# KiCad board InsidePanel.kicad_pcb (continued)
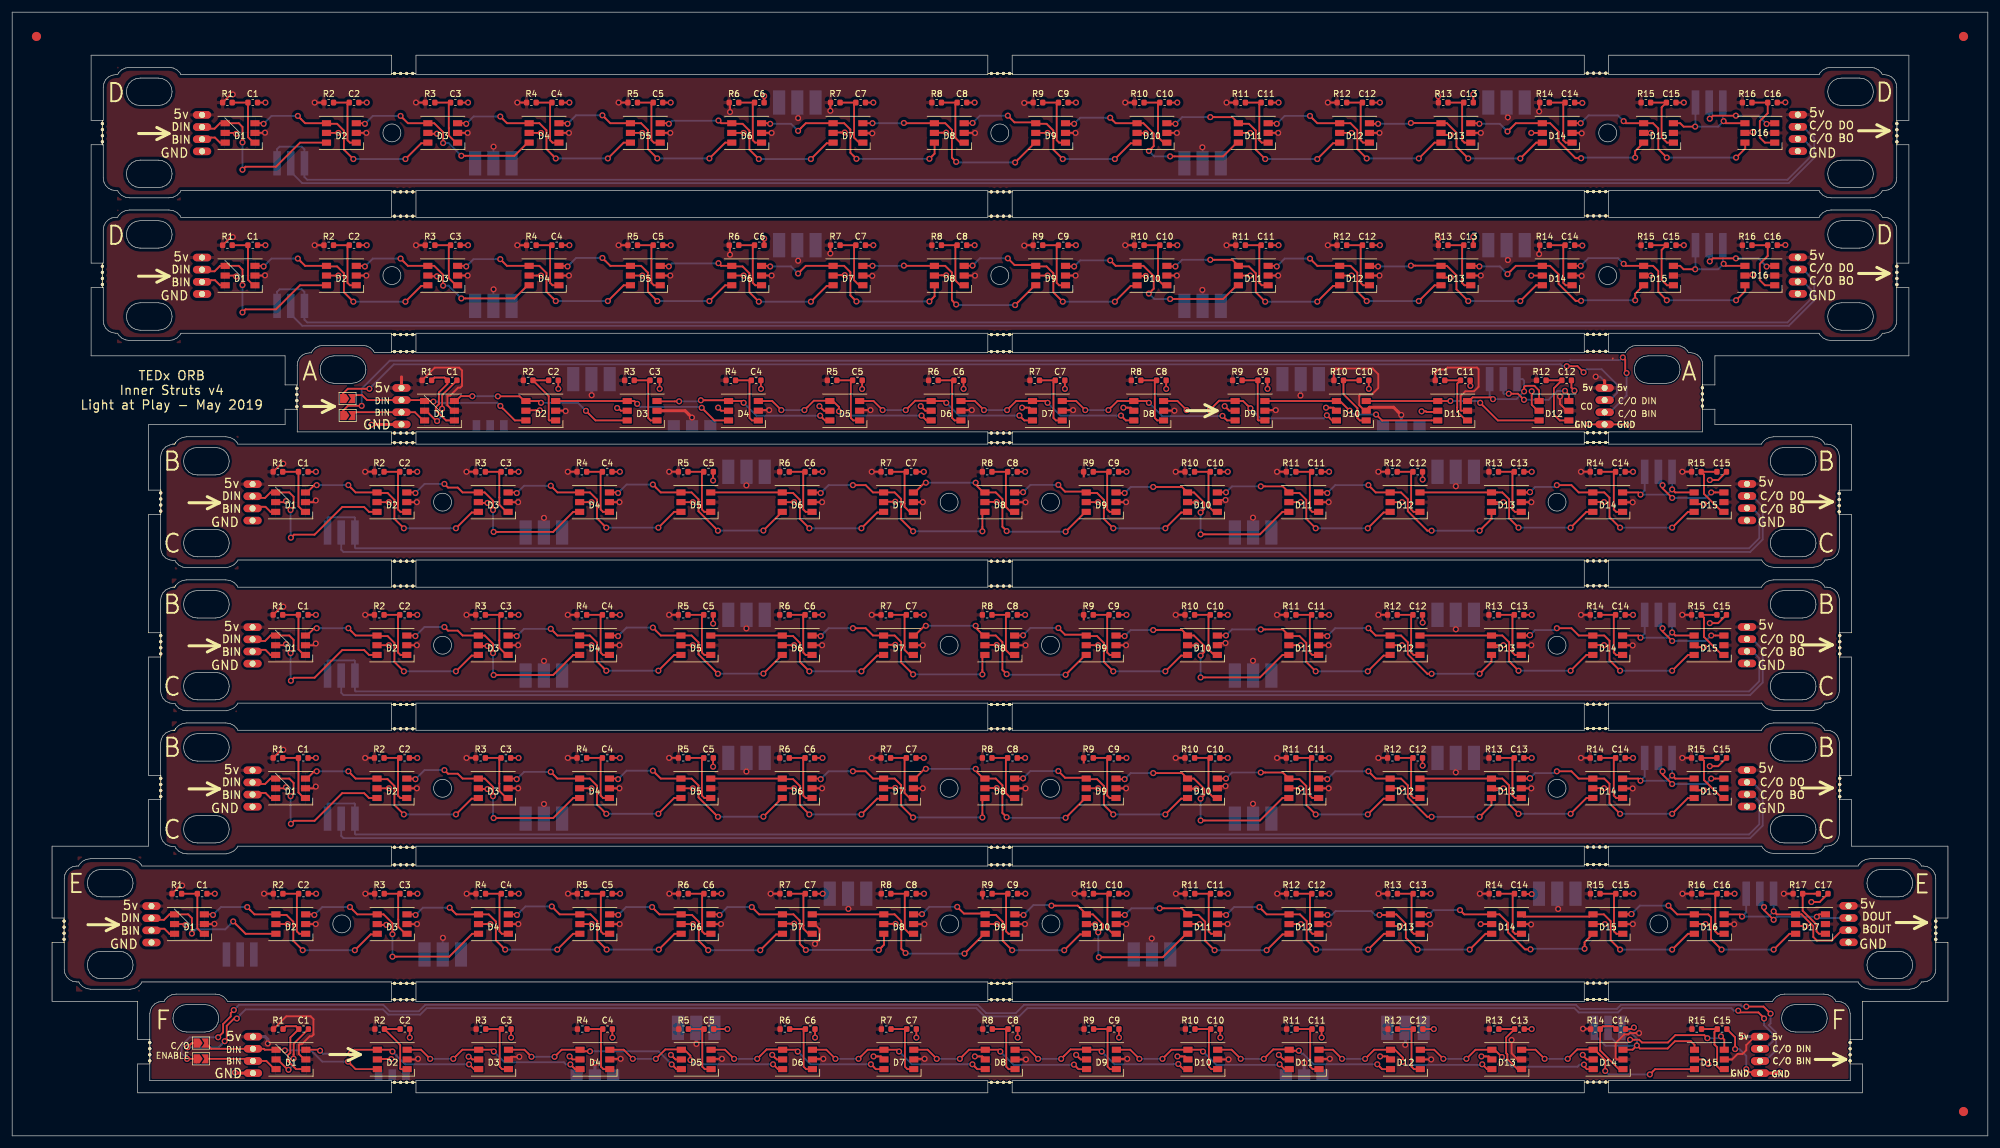
[diagram p0: board, top side]
## Routing (per net, layer and track width the routed paths; a pad name or vN(x,y) marks a point on that pad's centre or on a via; arc(x,y) is an arc through that point) (continued)
/BIN: length 49.9
  Top w0.3: 39.55,80.01 41.67,80.01 42.5,79.17 D1#6.6 ; 39.55,103.56 41.67,103.56 42.5,102.73 D1#7.6 ; D1#8.6 34.19,140.03 33.36,140.87 31.24,140.87 ; 22.92,34.1 25.03,34.1 25.87,33.26 D1#3.6 ; D1#4.6 34.19,163.52 33.36,164.35 31.24,164.35 ; 39.55,56.45 41.67,56.45 42.5,55.62 D1#2.6 ; JP4.2 56.47,119.13 J1.3 66.25,119.13 67.6,117.78 D1.6 ; D1#5.6 43.16,10.98 41.81,12.33 J1#5.3 39.26,12.68 JP4#2.2
/BOUT: length 179.8
  Top w0.3: v1(273.07,82.87) 273.57,82.37 D15#5.4 ; v1(267.86,82.01) 267.5,82.37 D14#5.3 ; v1(273.07,106.43) 273.57,105.93 D15#6.4 ; v1(267.86,105.57) 267.5,105.93 D14#6.3 ; v1(276.85,142.67) 274.95,142.67 274.39,143.23 D15#7.3 ; D16#3.4 281.88,143.23 v1(281.54,143.57) ; 293.38,36.46 294.36,36.46 296.28,34.54 296.28,32.75 296.87,32.16 299.3,32.16 301.2,34.06 302.17,34.06 ; v1(276.85,166.15) 274.95,166.15 274.39,166.72 D15#3.3 ; D15.4 273.57,58.82 v1(273.07,59.32) ; D16#2.4 281.88,166.72 v1(281.54,167.05) ; D14#4.3 266.56,14.18 v1(267.26,14.88) 267.76,14.38 272.33,14.38 273.53,15.58 276.15,15.58 276.75,14.98 D15#4.4 ; D14.3 267.5,58.82 v1(267.86,58.46) ; v1(284.56,36.1) 284.2,36.46 D16.3 ; D12.4 251.18,122.71 250.4,123.48 248.93,123.48 248.72,123.27 v1(248.72,122.56) ; v1(243.6,121.28) 243.3,121.58 240.26,121.58 239.66,120.98 D11.3 ; v1(289.77,36.96) 290.27,36.46 D17.4 ; 265.23,14.18 264.98,14.18
  Bottom w0.3: J4#9.2 273.07,85.76 v1(273.07,82.87) 272.2,82.01 v1(267.86,82.01) 268.55,82.7 J4#9.2 ; J4#10.2 273.07,109.31 v1(273.07,106.43) 272.2,105.57 v1(267.86,105.57) 268.55,106.25 J4#10.2 ; J4#11.2 281.41,143.7 v1(281.54,143.57) 280.64,142.67 v1(276.85,142.67) 276.91,142.72 J4#11.2 ; J4#5.2 276.91,166.21 v1(276.85,166.15) 280.64,166.15 v1(281.54,167.05) 281.41,167.18 J4#5.2 ; 301.21,33.86 J5#2.3 ; J4#4.2 285.25,36.79 v1(284.56,36.1) 288.9,36.1 v1(289.77,36.96) 289.77,39.85 J4#4.2 ; J6.2 243.04,121.83 v1(243.6,121.28) 247.44,121.28 v1(248.72,122.56) 248.72,124.34 248.47,124.58 J6.2 ; J4#3.2 268.55,59.14 v1(267.86,58.46) 272.2,58.46 v1(273.07,59.32) 273.07,62.2 J4#3.2 ; 260.53,17.78 260.53,16.41 262.1,14.83 263.6,14.83 267.21,14.83 v1(267.26,14.88) 267.26,16 265.48,17.78 264.53,17.78
/CO_BIN: length 512.1
  Top w0.3: 286.64,11.78 287.61,11.78 ; v1(265.58,125.59) 265.36,125.81 265.36,127.76 v1(264.96,128.16) ; v1(289.26,20.12) 288.1,21.28 v1(285.27,21.28) ; v1(36.46,20.72) 35.96,20.22 35.96,19.67 34.7,18.41 34.7,17.04 v1(33.89,16.23) ; 30.34,12.08 JP4#2.1 v1(28.76,12.68) ; JP4.1 54.47,119.43 55.22,120.18 v1(57.5,120.18)
  Bottom w0.3: v1(28.76,12.68) 27.86,13.58 27.86,14.88 29.21,16.23 v1(33.89,16.23) ; v1(57.5,120.18) 57.5,123.01 62.1,127.61 256.2,127.61 256.3,127.71 264.5,127.71 v1(264.96,128.16) ; v1(265.58,125.59) 265.58,121.87 262.84,119.13 J5#5.3 ; v1(36.46,20.72) 37.31,21.57 61.04,21.57 62.1,20.51 66.9,20.51 67.96,21.57 158.84,21.57 160.2,20.21 165.1,20.21 166.46,21.57 257.24,21.57 257.9,20.91 263.99,20.91 264.64,21.57 284.27,21.57 284.56,21.28 v1(285.27,21.28) ; J5#4.3 288.4,12.33 290.16,14.09 290.16,17.02 288.96,18.22 289.26,18.52 v1(289.26,20.12)
/CO_DIN: length 493.3
  Top w0.3: v1(258.5,125.71) 257.5,126.71 v1(255.73,126.71) ; JP3.1 54.45,122.23 55.21,123 v1(58.76,123) ; JP3#2.1 29.55,15.28 v1(28.85,14.58) ; v1(34.96,15.58) 35.3,15.92 35.3,18.11 36.51,19.32 v1(36.96,19.32) ; v1(283.93,20.6) 284.22,20.32 287.26,20.32 288.19,19.38 v1(288.19,19.32)
  Bottom w0.3: J5#4.2 288.4,14.33 289.61,15.54 289.61,16.79 288.19,18.21 v1(288.19,19.32) ; v1(258.5,125.71) 259,126.21 261.47,126.21 264,123.69 264,122.29 262.84,121.13 J5#5.2 ; v1(28.85,14.58) 33.96,14.58 v1(34.96,15.58) ; v1(58.76,123) 62.78,127.02 254.72,127.02 255.02,126.71 v1(255.73,126.71) ; v1(283.93,20.6) 283.23,20.6 282.81,21.02 264.87,21.02 264.17,20.31 257.7,20.31 256.99,21.02 167.01,21.02 165.65,19.66 159.97,19.66 158.62,21.02 68.18,21.02 67.13,19.96 61.87,19.96 61.02,20.81 38.4,20.81 37.46,19.87 37.46,19.82 v1(36.96,19.32)
/DIN: length 238.9
  Top w0.3: 39.55,81.47 41.6,81.47 42.5,82.37 D1#6.4 45.58,82.37 46.3,81.66 46.3,79.97 v1(45.8,79.47) ; D2#6.6 58.7,79.17 57.9,79.97 54.3,79.97 49.75,75.42 46.35,75.42 v1(45.85,74.92) ; 39.55,105.03 41.6,105.03 42.5,105.93 D1#7.4 45.58,105.93 46.3,105.21 46.3,103.53 v1(45.8,103.03) ; D2#7.6 58.7,102.73 57.9,103.53 54.3,103.53 49.75,98.98 46.35,98.98 v1(45.85,98.48) ; D2#8.6 47.35,140.03 43.39,136.07 38.39,136.07 v1(37.89,135.57) ; v1(37.89,140.07) 37.89,142.62 37.28,143.23 D1#8.4 34.19,143.23 33.29,142.33 31.24,142.33 ; D2#5.6 56.49,10.98 v1(55.26,12.22) ; 31.24,165.82 33.29,165.82 34.19,166.72 D1#4.4 37.28,166.72 37.89,166.1 v1(37.89,163.55) ; v1(37.89,159.05) 38.39,159.55 43.39,159.55 47.35,163.52 D2#4.6 ; v1(45.8,55.92) 46.3,56.42 46.3,58.1 45.58,58.82 D1#2.4 42.5,58.82 41.6,57.92 39.55,57.92 ; v1(45.85,51.37) 46.35,51.87 49.75,51.87 54.3,56.42 57.9,56.42 58.7,55.62 D2#2.6 ; v1(80.31,120.17) 82.7,117.78 D2.6 ; 22.92,35.56 24.97,35.56 25.87,36.46 D1#3.4 28.95,36.46 29.56,35.85 v1(29.56,33.3) ; v1(36.36,35.3) 38.4,33.26 D2#3.6 ; JP3#2.2 32.74,14.33 J1#5.2 41.41,14.33 41.56,14.18 D1#5.4 44.76,14.18 v1(44.86,14.08) ; JP3.2 56.47,121.95 57.56,121.95 58.38,121.13 J1.2 67.7,121.13 D1.4 69.2,120.98 v1(69.3,120.88)
  Bottom w0.3: v1(45.85,74.92) 45.8,74.97 v1(45.8,79.47) ; v1(45.85,98.48) 45.8,98.53 v1(45.8,103.03) ; v1(37.89,140.07) v1(37.89,135.57) ; v1(44.86,14.08) 49.16,14.08 51.02,12.22 v1(55.26,12.22) ; v1(29.56,33.3) 30.26,34 35.06,34 v1(36.36,35.3) ; v1(45.85,51.37) 45.8,51.42 v1(45.8,55.92) ; v1(69.3,120.88) 70,120.88 70.21,120.67 79.81,120.67 v1(80.31,120.17) ; v1(37.89,163.55) v1(37.89,159.05)
/DOUT: length 130
  Top w0.3: v1(273.07,81.47) 271.49,83.05 v1(271.49,83.57) ; D15#5.3 v1(279.5,82.37) ; v1(273.07,105.03) 271.49,106.61 v1(271.49,107.12) ; D15#6.3 v1(279.5,105.93) ; v1(283.55,144.47) 279.75,144.47 v1(279.25,143.97) ; v1(288.61,143.12) 288.72,143.23 D16#3.3 ; v1(289.77,35.56) 288.19,37.14 v1(288.19,37.66) ; v1(246.2,122.18) 247.7,122.18 v1(248.7,121.18) ; v1(273.07,57.92) 271.49,59.5 v1(271.49,60.01) ; v1(281.1,16.38) 281.65,15.83 D15#4.3 ; D17.3 297.23,36.46 296.87,36.1 v1(296.87,36.06) ; D15.3 v1(279.5,58.82) ; v1(278.86,16.08) 278.36,16.58 273.59,16.58 272.38,15.37 268.11,15.37 267.64,15.83 v1(266.15,15.83) ; v1(288.61,166.6) 288.72,166.72 D16#2.3 ; v1(255.45,122.65) 256.08,122.02 D12.3 ; v1(279.25,167.45) 279.75,167.95 v1(283.55,167.95)
  Bottom w0.3: v1(271.49,83.57) 270.77,84.29 270.77,85.74 J4#9.1 ; v1(279.5,82.37) 278.6,81.47 v1(273.07,81.47) ; v1(271.49,107.12) 270.77,107.84 270.77,109.3 J4#10.1 ; v1(279.5,105.93) 278.6,105.03 v1(273.07,105.03) ; J4#11.1 279.16,144.07 v1(279.25,143.97) ; v1(283.55,144.47) 287.25,144.47 v1(288.61,143.12) ; v1(281.1,16.38) 280.8,16.08 v1(278.86,16.08) ; v1(279.5,58.82) 278.6,57.92 v1(273.07,57.92) ; J4#5.1 279.16,167.55 v1(279.25,167.45) ; v1(246.2,122.18) 245.39,122.18 245.29,122.28 J6.1 ; v1(255.45,122.65) 254.21,122.65 252.74,121.18 v1(248.7,121.18) ; v1(289.77,35.56) 290.27,36.06 v1(296.87,36.06) 297.07,35.86 J5#2.2 303.17,35.86 ; J4#4.1 287.47,39.83 287.47,38.38 v1(288.19,37.66) ; v1(271.49,60.01) 270.77,60.73 270.77,62.19 J4#3.1 ; v1(283.55,167.95) 287.25,167.95 v1(288.61,166.6) ; v1(266.15,15.83) 265.7,15.38 263.83,15.38 262.53,16.69 262.53,17.08
Net-(C1-Pad1): length 83.8
  Top w0.3: D1#6.1 48,79.17 47.1,80.08 C1#6.1 R1#6.2 ; D1#7.1 48,102.73 47.1,103.63 C1#7.1 R1#7.2 ; R1#8.2 C1#8.1 38.79,140.94 39.69,140.03 D1#8.1 ; D1.1 71.37,117.78 69.7,119.46 69.7,119.98 70.2,120.48 70.2,122.38 71.59,123.78 C1.1 71.13,124.84 69.46,124.84 R1.2 ; R1#2.2 C1#2.1 47.1,56.52 48,55.62 D1#2.1 ; R1#5.2 45.03,18.04 46.7,18.04 C1#5.1 45.76,16.19 45.76,13.68 45.39,13.31 45.39,12.29 46.69,10.98 D1#5.1 ; D1#3.1 31.37,33.26 30.46,34.17 C1#3.1 R1#3.2 ; D1#4.1 39.69,163.52 38.79,164.42 C1#4.1 R1#4.2
Net-(C2-Pad1): length 85.9
  Top w0.3: D2#2.1 63.87,55.62 63.47,56.02 63.47,61.92 C2#2.1 R2#2.2 ; D2#3.1 47.23,33.26 46.83,33.66 46.83,39.57 C2#3.1 R2#3.2 ; D2#4.1 55.56,163.52 55.16,163.92 55.16,169.82 C2#4.1 52.86,170.12 ; D2#6.1 63.87,79.17 63.47,79.57 63.47,85.48 C2#6.1 R2#6.2 ; D2#7.1 63.87,102.73 63.47,103.13 63.47,109.03 C2#7.1 R2#7.2 ; D2#8.1 55.56,140.03 55.16,140.43 55.16,146.34 C2#8.1 52.86,146.63 ; D2#5.1 63.93,10.98 63.83,11.08 63.83,14.99 R2#5.2 C2#5.1 ; D2.1 88.36,117.78 88.26,117.88 88.26,121.79 R2.2 C2.1
Net-(C3-Pad1): length 81.5
  Top w0.3: D3#5.1 80.59,10.98 80.19,11.38 80.19,17.29 C3#5.1 R3#5.2 ; D3.1 105.03,117.78 104.63,118.18 104.63,124.09 C3.1 R3.2 ; R3#6.2 C3#6.1 80.13,85.48 80.13,81.55 80.15,81.54 80.15,80.34 81.31,79.17 D3#6.1 ; R3#7.2 C3#7.1 80.13,109.03 80.13,105.11 80.15,105.09 80.15,103.89 81.31,102.73 D3#7.1 ; D3#8.1 73,140.03 71.84,141.2 71.84,142.4 71.83,142.41 71.83,146.34 C3#8.1 R3#8.2 ; R3#3.2 C3#3.1 63.5,39.57 63.5,35.64 63.51,35.63 63.51,34.43 64.68,33.26 D3#3.1 ; R3#2.2 C3#2.1 80.13,61.92 80.13,58 80.15,57.98 80.15,56.78 81.31,55.62 D3#2.1 ; R3#4.2 C3#4.1 71.83,169.82 71.83,165.89 71.84,165.88 71.84,164.68 73,163.52 D3#4.1
Net-(C4-Pad1): length 84.2
  Top w0.3: D4#5.1 97.26,10.98 96.86,11.38 96.86,17.29 C4#5.1 R4#5.2 ; D4.1 121.7,117.78 121.3,118.18 121.3,124.09 C4.1 R4.2 ; R4#6.2 C4#6.1 96.8,85.48 96.8,79.57 97.2,79.17 D4#6.1 ; R4#7.2 C4#7.1 96.8,109.03 96.8,103.13 97.2,102.73 D4#7.1 ; D4#8.1 88.89,140.03 88.49,140.43 88.49,146.34 C4#8.1 R4#8.2 ; D4#3.1 80.57,33.26 80.17,33.66 80.17,39.57 C4#3.1 R4#3.2 ; R4#4.2 C4#4.1 88.49,169.82 88.49,163.92 88.89,163.52 D4#4.1 ; D4#2.1 97.2,55.62 96.8,56.02 96.8,61.92 C4#2.1 R4#2.2
Net-(C5-Pad1): length 84.2
  Top w0.3: D5#2.1 113.87,55.62 113.47,56.02 113.47,61.92 C5#2.1 R5#2.2 ; D5#3.1 97.23,33.26 96.83,33.66 96.83,39.57 97.13,39.86 R5#3.2 ; D5#4.1 105.56,163.52 105.16,163.92 105.16,169.82 C5#4.1 R5#4.2 ; D5#5.1 113.93,10.98 113.53,11.38 113.53,17.29 C5#5.1 R5#5.2 ; D5.1 138.36,117.78 137.96,118.18 137.96,124.09 C5.1 135.67,124.38 ; D5#6.1 113.87,79.17 113.47,79.57 113.47,85.48 C5#6.1 R5#6.2 ; D5#7.1 113.87,102.73 113.47,103.13 113.47,109.03 C5#7.1 R5#7.2 ; D5#8.1 105.56,140.03 105.16,140.43 105.16,146.34 C5#8.1 R5#8.2
Net-(C6-Pad1): length 84.2
  Top w0.3: D6#2.1 130.53,55.62 130.13,56.02 130.13,61.92 130.43,62.22 R6#2.2 ; D6#3.1 113.9,33.26 113.5,33.66 113.5,39.57 C6#3.1 R6#3.2 ; D6#4.1 122.23,163.52 121.83,163.92 121.83,169.82 C6#4.1 R6#4.2 ; D6#5.1 130.59,10.98 130.19,11.38 130.19,17.29 C6#5.1 R6#5.2 ; D6.1 155.03,117.78 154.63,118.18 154.63,124.09 C6.1 R6.2 ; R6#6.2 130.43,85.77 130.13,85.48 130.13,79.57 130.53,79.17 D6#6.1 ; R6#7.2 130.43,109.33 130.13,109.03 130.13,103.13 130.53,102.73 D6#7.1 ; D6#8.1 122.23,140.03 121.83,140.43 121.83,146.34 C6#8.1 R6#8.2
Net-(C7-Pad1): length 82.7
  Top w0.3: D7#5.1 147.26,10.98 146.86,11.38 146.86,17.29 C7#5.1 R7#5.2 ; D7.1 171.69,117.78 171.29,118.18 171.29,124.09 C7.1 R7.2 ; R7#6.2 C7#6.1 146.8,85.48 146.8,80.54 146.8,80.53 146.8,80.01 147.63,79.17 D7#6.1 ; R7#7.2 C7#7.1 146.8,109.03 146.8,104.09 146.8,104.09 146.8,103.57 147.63,102.73 D7#7.1 ; D7#8.1 139.33,140.03 138.49,140.87 138.49,141.39 138.49,141.4 138.49,146.34 C7#8.1 R7#8.2 ; D7#2.1 147.63,55.62 146.8,56.46 146.8,56.98 146.8,56.98 146.8,61.92 C7#2.1 R7#2.2 ; D7#4.1 139.33,163.52 138.49,164.35 138.49,164.88 138.49,164.88 138.49,169.82 C7#4.1 R7#4.2 ; R7#3.2 C7#3.1 130.17,39.57 130.17,34.63 130.16,34.62 130.16,34.1 131,33.26 D7#3.1
Net-(C8-Pad1): length 82.8
  Top w0.3: 164.98,10.98 163.93,10.98 163.53,11.38 163.53,17.29 163.82,17.58 R8#5.2 ; D8.1 188.36,117.78 187.96,118.18 187.96,124.09 C8.1 185.67,124.38 ; D8#6.1 164.27,79.17 163.47,79.97 163.47,85.48 C8#6.1 R8#6.2 ; D8#7.1 164.27,102.73 163.47,103.53 163.47,109.03 C8#7.1 R8#7.2 ; D8#8.1 155.96,140.03 155.16,140.83 155.16,146.34 C8#8.1 R8#8.2 ; D8#2.1 164.27,55.62 163.47,56.42 163.47,61.92 C8#2.1 R8#2.2 ; 144.54,39.86 147.13,39.86 146.83,39.57 146.83,34.06 147.63,33.26 148.28,33.26 ; D8#4.1 155.96,163.52 155.16,164.31 155.16,169.82 C8#4.1 R8#4.2
Net-(C9-Pad1): length 84
  Top w0.3: 181.58,55.62 180.53,55.62 180.13,56.02 180.13,61.92 180.43,62.22 R9#2.2 ; D9#3.1 163.9,33.26 163.5,33.66 163.5,39.57 C9#3.1 R9#3.2 ; 173.28,163.52 172.23,163.52 171.83,163.92 171.83,169.82 172.12,170.12 R9#4.2 ; D9#5.1 180.59,10.98 180.19,11.38 180.19,17.29 C9#5.1 R9#5.2 ; 181.58,79.17 180.53,79.17 180.13,79.57 180.13,85.48 180.43,85.77 R9#6.2 ; 181.58,102.73 180.53,102.73 180.13,103.13 180.13,109.03 180.43,109.33 R9#7.2 ; 173.28,140.03 172.23,140.03 171.83,140.43 171.83,146.34 172.12,146.63 R9#8.2 ; D9.1 205.03,117.78 204.9,117.92 204.9,124.35 204.92,124.38 R9.2
Net-(C10-Pad1): length 83.3
  Top w0.3: D10#5.1 197.26,10.98 196.86,11.38 196.86,17.29 C10#5.1 R10#5.2 ; R10#6.2 C10#6.1 196.8,85.48 196.8,80.09 197.71,79.17 D10#6.1 ; R10#7.2 C10#7.1 196.8,109.03 196.8,103.64 197.71,102.73 D10#7.1 ; D10#8.1 189.4,140.03 188.49,140.94 188.49,146.34 C10#8.1 R10#8.2 ; R10#3.2 C10#3.1 180.17,39.57 180.17,34.18 181.08,33.26 D10#3.1 ; D10.1 221.69,117.78 221.29,118.18 221.29,119.81 219,122.1 R10.2 C10.1 ; D10#4.1 189.4,163.52 188.49,164.43 188.49,169.82 C10#4.1 R10#4.2 ; D10#2.1 197.71,55.62 196.8,56.53 196.8,61.92 C10#2.1 R10#2.2
Net-(C11-Pad1): length 84
  Top w0.3: D11#2.1 213.87,55.62 213.47,56.02 213.47,61.92 C11#2.1 R11#2.2 ; 198.28,33.26 197.23,33.26 196.83,33.66 196.83,39.57 197.13,39.86 194.54,39.86 ; D11#4.1 205.56,163.52 205.16,163.92 205.16,169.82 C11#4.1 R11#4.2 ; 214.98,10.98 213.93,10.98 213.53,11.38 213.53,17.29 213.82,17.58 211.23,17.58 ; R11#6.2 C11#6.1 213.47,85.48 213.47,79.57 213.87,79.17 D11#6.1 ; R11#7.2 C11#7.1 213.47,109.03 213.47,103.13 213.87,102.73 D11#7.1 ; D11#8.1 205.56,140.03 205.16,140.43 205.16,146.34 C11#8.1 R11#8.2 ; R11.2 C11.1 237.71,123.84 237.71,119.94 237.7,119.92 237.7,119.25 239.16,117.78 D11.1
Net-(C12-Pad1): length 85.3
  Top w0.3: 223.28,163.52 222.23,163.52 221.83,163.92 221.83,169.82 222.12,170.12 219.53,170.12 ; D12#5.1 230.59,10.98 230.19,11.38 230.19,17.29 C12#5.1 R12#5.2 ; 231.58,55.62 230.53,55.62 230.13,56.02 230.13,61.92 230.43,62.22 227.84,62.22 ; D12#3.1 213.9,33.26 213.5,33.66 213.5,39.57 C12#3.1 R12#3.2 ; 227.84,85.77 230.43,85.77 230.13,85.48 230.13,79.57 230.53,79.17 231.58,79.17 ; 227.84,109.33 230.43,109.33 230.13,109.03 230.13,103.13 230.53,102.73 231.58,102.73 ; 223.28,140.03 222.23,140.03 221.83,140.43 221.83,146.34 222.12,146.63 219.53,146.63 ; 256.08,117.78 254.59,117.78 253.62,118.75 253.62,123.08 254.92,124.38 R12.2
Net-(C13-Pad1): length 74.3
  Top w0.3: D13.1 247.2,55.62 246.8,56.02 246.8,61.92 C13.1 R13.2 ; D13#5.1 247.2,79.17 246.8,79.57 246.8,85.48 C13#5.1 R13#5.2 ; D13#6.1 247.2,102.73 246.8,103.13 246.8,109.03 C13#6.1 R13#6.2 ; R13#7.2 C13#7.1 238.53,146.37 238.53,140.4 238.89,140.03 D13#7.1 ; D13#4.1 247.63,10.98 245.96,12.65 245.96,13.41 245.76,13.61 245.76,16.19 C13#4.1 R13#4.2 ; R13#2.2 C13#2.1 230.2,39.6 230.2,33.63 230.57,33.26 D13#2.1 ; R13#3.2 C13#3.1 238.53,169.85 238.53,163.88 238.89,163.52 D13#3.1
Net-(C14-Pad1): length 74.7
  Top w0.3: D14.1 263.87,55.62 263.47,56.02 263.47,61.92 C14.1 R14.2 ; 248.28,33.26 247.23,33.26 246.83,33.66 246.83,39.57 247.13,39.86 244.54,39.86 ; D14#3.1 255.56,163.52 255.16,163.92 255.16,169.82 C14#3.1 R14#3.2 ; D14#5.1 263.87,79.17 263.47,79.57 263.47,85.48 C14#5.1 R14#5.2 ; D14#6.1 263.87,102.73 263.47,103.13 263.47,109.03 C14#6.1 R14#6.2 ; R14#7.2 C14#7.1 255.16,146.34 255.16,140.43 255.56,140.03 D14#7.1 ; 261.23,17.58 261.23,14.06 264.31,10.98 264.98,10.98 ; R14#4.2 261.69,18.04 263.36,18.04 C14#4.1
Net-(C15-Pad1): length 75.7
  Top w0.3: D15#2.1 263.9,33.26 263.5,33.66 263.5,39.57 263.8,39.86 R15#2.2 ; R15#5.2 C15#5.1 ; 281.58,79.17 281.27,79.17 278.3,82.14 278.3,85.31 277.84,85.77 ; R15#6.2 C15#6.1 ; 281.58,102.73 281.27,102.73 278.3,105.7 278.3,108.87 277.84,109.33 ; 273.28,140.03 272.23,140.03 271.34,140.92 271.34,145.85 272.12,146.63 269.53,146.63 ; C15.1 R15.2 ; 273.28,163.52 272.23,163.52 271.34,164.4 271.34,169.33 272.12,170.12 269.53,170.12 ; D15#4.1 280.93,10.98 280.47,11.44 280.47,14.58 280.03,15.02 280.03,17.12 C15#4.1 R15#4.2 ; 281.58,55.62 281.27,55.62 278.3,58.59 278.3,61.76 277.84,62.22
Net-(C16-Pad1): length 33.9
  Top w0.3: D16.1 280.57,33.26 280.17,33.66 280.17,39.57 C16.1 R16.2 ; D16#3.1 288.33,140.03 287.49,140.87 287.49,143.57 288.79,144.87 C16#3.1 R16#3.2 ; R16#2.2 C16#2.1 288.79,168.35 287.49,167.05 287.49,164.35 288.33,163.52 D16#2.1
Net-(C17-Pad1): length 11.4
  Top w0.3: R17.2 C17.1 ; 298.28,33.26 297.23,33.26 296.83,33.66 296.83,34.77 294.54,37.06 294.54,39.86
Net-(D1-Pad3): length 269.7
  Top w0.3: 76.65,55.52 75.6,55.52 v1(73,52.92) ; 60.02,33.16 58.97,33.16 v1(56.37,30.56) ; 68.34,163.42 67.29,163.42 v1(64.69,160.82) ; 59.98,58.72 61.77,58.72 62.88,57.6 62.88,54.47 v1(64.43,52.92) ; 43.35,36.36 45.13,36.36 46.25,35.25 46.25,32.11 v1(47.8,30.56) ; 51.68,166.62 53.46,166.62 54.58,165.5 54.58,162.37 v1(56.13,160.82) ; D1#6.3 48.5,82.37 49.7,83.57 v1(50.1,83.57) ; v1(55.3,83.57) 56.5,82.37 D2#6.4 ; v1(64.43,76.47) 62.88,78.02 62.88,81.16 61.77,82.27 59.98,82.27 ; 76.65,79.07 75.6,79.07 v1(73,76.47) ; D1#7.3 48.5,105.93 49.7,107.13 v1(50.1,107.13) ; v1(55.3,107.13) 56.5,105.93 D2#7.4 ; v1(64.43,100.03) 62.88,101.58 62.88,104.71 61.77,105.83 59.98,105.83 ; 76.65,102.63 75.6,102.63 v1(73,100.03) ; 68.34,139.93 67.29,139.93 v1(64.69,137.33) ; 51.68,143.13 53.46,143.13 54.58,142.01 54.58,138.88 v1(56.13,137.33) ; D1#8.3 41.26,143.23 v1(41.36,143.13) ; D2#8.4 48.19,143.23 v1(46.99,144.43) ; D2#3.4 39.87,36.46 v1(38.67,37.66) ; v1(79.9,121.75) 83.43,121.75 83.46,121.78 84.26,120.98 D2.4 86.7,120.98 v1(87,120.68) ; v1(50.1,60.02) 49.7,60.02 48.5,58.82 D1#2.3 ; v1(55.3,60.02) 56.5,58.82 D2#2.4 ; v1(50.66,14.02) 50.49,14.18 D1#5.3 48.56,14.18 ; v1(46.99,167.92) 48.19,166.72 D2#4.4 ; D1#4.3 41.26,166.72 v1(41.36,166.62) ; v1(75.7,121.77) 75.69,121.78 73.8,121.78 73,120.98 D1.3 ; v1(75.16,11.78) 75.96,10.98 D3#5.6 ; v1(94.39,119.36) 95.97,117.78 D3.6 ; v1(55.66,13.52) 56.32,14.18 D2#5.4 62.26,14.18 v1(62.56,13.88) ; D1#3.3 32.93,36.46 v1(33.03,36.36)
  Bottom w0.3: v1(73,52.92) v1(64.43,52.92) ; v1(56.37,30.56) v1(47.8,30.56) ; v1(64.69,160.82) v1(56.13,160.82) ; v1(55.3,83.57) v1(50.1,83.57) ; v1(73,76.47) v1(64.43,76.47) ; v1(55.3,107.13) v1(50.1,107.13) ; v1(73,100.03) v1(64.43,100.03) ; v1(64.69,137.33) v1(56.13,137.33) ; v1(41.36,143.13) 42.66,144.43 v1(46.99,144.43) ; v1(38.67,37.66) 34.33,37.66 v1(33.03,36.36) ; v1(62.56,13.88) 64.66,11.78 v1(75.16,11.78) ; v1(41.36,166.62) 42.66,167.92 v1(46.99,167.92) ; v1(79.9,121.75) 79.88,121.77 v1(75.7,121.77) ; v1(55.3,60.02) v1(50.1,60.02) ; v1(50.66,14.02) 51.16,13.52 v1(55.66,13.52) ; v1(87,120.68) 93.07,120.68 v1(94.39,119.36)
Net-(D2-Pad3): length 275.9
  Top w0.3: v1(79.23,13.88) 78.93,14.18 D3#5.4 74.06,14.18 v1(72.56,12.68) ; v1(71.1,83.77) 71.7,83.17 73.3,83.17 74.1,82.37 D3#6.4 77.73,82.37 79.1,81.01 v1(79.1,79.47) ; v1(79.2,75.87) 89,75.87 92.3,79.17 D4#6.6 ; v1(66.33,82.27) 66.23,82.37 D2#6.3 ; v1(71.1,107.33) 71.7,106.73 73.3,106.73 74.1,105.93 D3#7.4 77.73,105.93 79.1,104.56 v1(79.1,103.03) ; v1(79.2,99.43) 89,99.43 92.3,102.73 D4#7.6 ; v1(66.33,105.83) 66.23,105.93 D2#7.3 ; D2#8.3 57.93,143.23 v1(58.03,143.13) ; v1(63.89,144.43) 65.09,143.23 D3#8.4 69.43,143.23 70.89,141.77 v1(70.89,139.97) ; D4#8.6 84.79,140.03 82.63,137.87 v1(73.89,137.87) ; v1(58.03,166.62) 57.93,166.72 D2#4.3 ; 65.23,14.18 D2#5.3 67.26,14.18 v1(68.76,12.68) ; v1(62.56,29.5) 71.9,29.5 75.67,33.26 D4#3.6 ; v1(55.57,37.66) 56.77,36.46 D3#3.4 61.1,36.46 62.56,35 v1(62.56,33.2) ; v1(63.89,167.92) 65.09,166.72 D3#4.4 69.43,166.72 70.89,165.26 v1(70.89,163.45) ; D4#5.6 92.6,10.98 v1(91.82,11.76) ; v1(79.1,55.92) 79.1,57.45 77.73,58.82 D3#2.4 74.1,58.82 73.3,59.62 71.7,59.62 v1(71.1,60.22) ; v1(79.2,52.32) 89,52.32 92.3,55.62 D4#2.6 ; v1(66.33,58.72) 66.23,58.82 D2#2.3 ; D4#4.6 84.79,163.52 82.63,161.35 v1(73.89,161.35) ; v1(113.43,119.86) 115.51,117.78 D4.6 ; D2#3.3 49.6,36.46 v1(49.7,36.36) ; v1(102.82,120.51) 102.35,120.98 D3.4 D2.3 89.66,120.98
  Bottom w0.3: v1(71.1,83.77) 67.83,83.77 v1(66.33,82.27) ; v1(79.2,75.87) 79.1,75.97 v1(79.1,79.47) ; v1(71.1,107.33) 67.83,107.33 v1(66.33,105.83) ; v1(79.2,99.43) 79.1,99.53 v1(79.1,103.03) ; v1(58.03,143.13) 59.33,144.43 v1(63.89,144.43) ; v1(70.89,139.97) 71.79,139.97 v1(73.89,137.87) ; v1(68.76,12.68) v1(72.56,12.68) ; v1(62.56,33.2) v1(62.56,29.5) ; v1(79.1,55.92) 79.1,52.42 v1(79.2,52.32) ; v1(49.7,36.36) 51,37.66 v1(55.57,37.66) ; v1(70.89,163.45) 71.79,163.45 v1(73.89,161.35) ; v1(79.23,13.88) 80.99,12.12 90.76,12.12 91.11,11.76 v1(91.82,11.76) ; v1(63.89,167.92) 59.33,167.92 v1(58.03,166.62) ; v1(113.43,119.86) 113.28,120.01 103.32,120.01 v1(102.82,120.51) ; v1(66.33,58.72) 67.83,60.22 v1(71.1,60.22)
Net-(D3-Pad3): length 269.2
  Top w0.3: 109.95,55.62 108.9,55.62 v1(106.3,53.02) ; 93.32,33.26 92.27,33.26 v1(89.67,30.66) ; 101.64,163.52 100.59,163.52 v1(97.99,160.92) ; v1(120.33,120.68) 120.03,120.98 D4.4 117.73,121.1 v1(113.29,121.1) ; D4#6.4 89.7,82.37 v1(88.6,83.47) ; v1(106.3,76.57) 108.9,79.17 109.95,79.17 ; D3#6.3 82.9,82.37 v1(83,82.27) ; 93.28,82.37 95.03,82.37 96.2,81.21 96.2,78.11 v1(97.73,76.57) ; D4#7.4 89.7,105.93 v1(88.6,107.03) ; v1(106.3,100.13) 108.9,102.73 109.95,102.73 ; D3#7.3 82.9,105.93 v1(83,105.83) ; 93.28,105.93 95.03,105.93 96.2,104.76 96.2,101.66 v1(97.73,100.13) ; 101.64,140.03 100.59,140.03 v1(97.99,137.43) ; D3#8.3 74.59,143.23 v1(74.69,143.13) ; D4#8.4 81.39,143.23 v1(80.29,144.33) ; 84.98,143.23 86.72,143.23 87.89,142.06 87.89,138.97 v1(89.43,137.43) ; v1(80.29,167.82) 81.39,166.72 D4#4.4 ; v1(81.1,30.66) 79.57,32.2 79.57,35.3 78.4,36.46 76.65,36.46 ; v1(71.97,37.56) 73.07,36.46 D4#3.4 ; D3#2.3 82.9,58.82 v1(83,58.72) ; 84.98,166.72 86.72,166.72 87.89,165.55 87.89,162.45 v1(89.43,160.92) ; v1(95.06,13.92) 93.67,13.92 D4#5.4 90.39,14.18 v1(89.23,13.02) ; v1(97.73,53.02) 96.2,54.55 96.2,57.65 95.03,58.82 93.28,58.82 ; 106.18,120.88 D3.3 106.14,120.92 v1(109.72,120.92) ; v1(85.43,13.02) 84.27,14.18 D3#5.3 81.75,14.08 ; v1(132.92,118.56) 133.7,117.78 134.51,117.78 ; D3#4.3 74.59,166.72 v1(74.69,166.62) ; v1(66.37,36.36) 66.27,36.46 D3#3.3 ; v1(88.6,59.92) 89.7,58.82 D4#2.4 ; D5#5.6 109.27,10.98 v1(108.49,11.76)
  Bottom w0.3: v1(106.3,53.02) v1(97.73,53.02) ; v1(89.67,30.66) v1(81.1,30.66) ; v1(97.99,160.92) v1(89.43,160.92) ; v1(106.3,76.57) v1(97.73,76.57) ; v1(88.6,83.47) 84.2,83.47 v1(83,82.27) ; v1(106.3,100.13) v1(97.73,100.13) ; v1(88.6,107.03) 84.2,107.03 v1(83,105.83) ; v1(97.99,137.43) v1(89.43,137.43) ; v1(80.29,144.33) 75.89,144.33 v1(74.69,143.13) ; v1(108.49,11.76) 106.33,13.92 v1(95.06,13.92) ; v1(109.72,120.92) 113.11,120.92 v1(113.29,121.1) ; v1(74.69,166.62) 75.89,167.82 v1(80.29,167.82) ; v1(88.6,59.92) 84.2,59.92 v1(83,58.72) ; v1(71.97,37.56) 67.57,37.56 v1(66.37,36.36) ; v1(89.23,13.02) v1(85.43,13.02) ; v1(132.92,118.56) 122.45,118.56 v1(120.33,120.68)
Net-(D4-Pad3): length 271.5
  Top w0.3: D4#5.3 100.59,14.18 v1(102.09,12.68) ; D4.3 125.03,120.98 v1(126.53,119.48) ; 110.02,33.26 108.97,33.26 v1(106.37,30.66) ; 118.34,163.52 117.29,163.52 v1(114.69,160.92) ; 93.35,36.46 95.13,36.46 96.25,35.35 96.25,32.21 v1(97.8,30.66) ; 101.68,166.72 103.46,166.72 104.58,165.6 104.58,162.47 v1(106.13,160.92) ; D6#5.6 125.96,10.98 v1(125.16,11.78) ; D6.6 150.4,117.78 v1(149.6,118.58) ; v1(105.4,83.67) 106.7,82.37 D5#6.4 ; D4#6.3 99.57,82.37 v1(99.67,82.27) ; 126.65,79.17 v1(123.58,76.1) ; v1(116.1,76.07) 112.9,79.27 112.9,81.24 111.77,82.37 109.98,82.37 ; v1(105.4,107.23) 106.7,105.93 D5#7.4 ; D4#7.3 99.57,105.93 v1(99.67,105.83) ; 126.65,102.73 v1(123.58,99.66) ; v1(116.1,99.63) 112.9,102.83 112.9,104.79 111.77,105.93 109.98,105.93 ; D4#8.3 91.26,143.23 v1(91.36,143.13) ; D5#8.4 98.39,143.23 v1(97.09,144.53) ; 118.34,140.03 117.29,140.03 v1(114.69,137.43) ; 101.68,143.23 103.46,143.23 104.58,142.11 104.58,138.98 v1(106.13,137.43) ; v1(105.4,60.12) 106.7,58.82 D5#2.4 ; D5.4 134.46,121.03 131.88,121.03 v1(130.33,119.48) ; v1(97.09,168.02) 98.39,166.72 D5#4.4 ; D4#3.3 82.93,36.46 v1(83.03,36.36) ; v1(99.67,58.72) 99.57,58.82 D4#2.3 ; 134.51,120.98 135.02,120.98 136.01,119.99 v1(136.01,119.28) ; D5#3.4 90.07,36.46 v1(88.77,37.76) ; D4#4.3 91.26,166.72 v1(91.36,166.62) ; 109.98,58.82 111.77,58.82 112.9,57.68 112.9,55.72 v1(116.1,52.52) ; v1(105.89,12.68) 107.44,14.23 110.03,14.23 D5#5.4 110.59,14.18 111.58,13.19 v1(111.58,12.48) ; 126.65,55.62 v1(123.58,52.55)
  Bottom w0.3: v1(106.37,30.66) v1(97.8,30.66) ; v1(114.69,160.92) v1(106.13,160.92) ; v1(105.4,83.67) 101.07,83.67 v1(99.67,82.27) ; v1(116.1,76.07) 116.13,76.1 v1(123.58,76.1) ; v1(105.4,107.23) 101.07,107.23 v1(99.67,105.83) ; v1(116.1,99.63) 116.13,99.66 v1(123.58,99.66) ; v1(97.09,144.53) 92.76,144.53 v1(91.36,143.13) ; v1(114.69,137.43) v1(106.13,137.43) ; v1(88.77,37.76) 84.43,37.76 v1(83.03,36.36) ; v1(116.1,52.52) 116.13,52.55 v1(123.58,52.55) ; v1(125.16,11.78) 112.28,11.78 v1(111.58,12.48) ; v1(149.6,118.58) 136.71,118.58 v1(136.01,119.28) ; v1(91.36,166.62) 92.76,168.02 v1(97.09,168.02) ; v1(126.53,119.48) v1(130.33,119.48) ; v1(102.09,12.68) v1(105.89,12.68) ; v1(105.4,60.12) 101.07,60.12 v1(99.67,58.72)